# KiCad board PC110.kicad_pcb (continued)
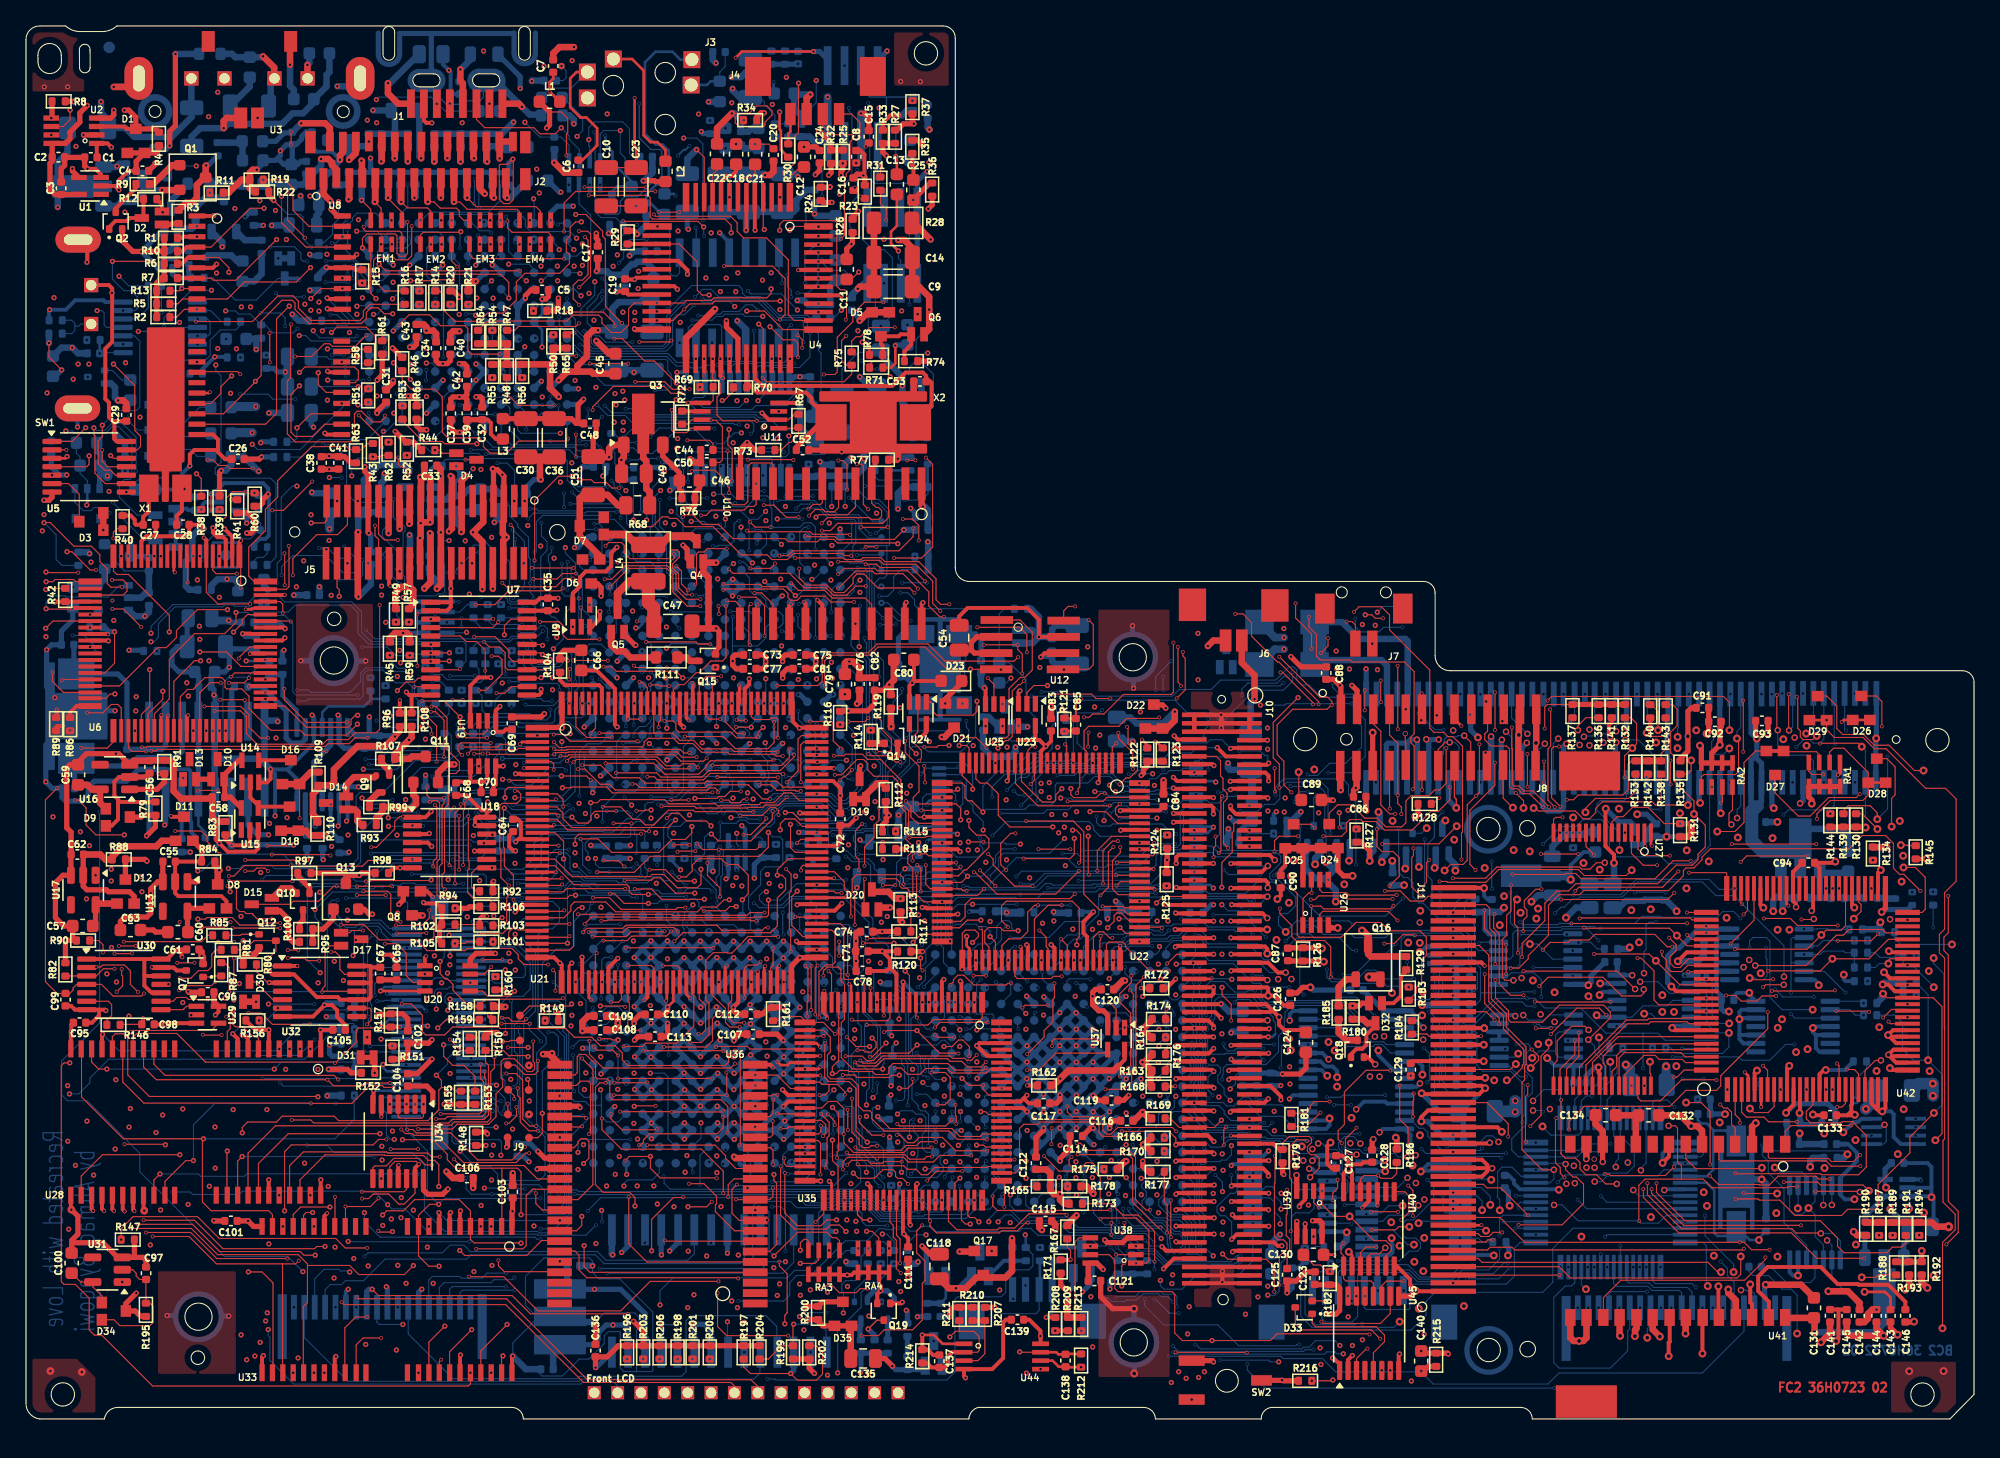
[diagram p0: board, top side]
## Routing (per net, layer and track width the routed paths; a pad name or vN(x,y) marks a point on that pad's centre or on a via; arc(x,y) is an arc through that point) (continued)
Bowman_ESS_DACK1#: length 105.1
  FC2 w0.08: v3(53.45,40.23) 53.45,40.93 52.49,41.89 v3(52.49,42.84) ; 52.36,55.15 52.36,54.19 52.62,53.93 v3(53.49,53.93)
  FC1 w0.08: v3(53.49,53.93) 53.69,53.73 53.69,51.7 52.55,50.56 52.55,47.03 52.34,46.82 52.34,44.61 52.49,44.46 v3(52.49,42.84) ; v1(53.53,16.36) 52.78,16.36 52.46,16.68 52.46,38.09 53.45,39.08 v3(53.45,40.23)
  IC3 w0.08: v4(107.71,16.91) 107.41,17.21 107.41,17.24 107.29,17.36 97.38,17.36 96.94,16.92 95.12,16.92 93.47,18.57 90.72,18.57 89.96,17.81 75.68,17.81 74.85,16.98 54.61,16.98 53.99,16.36 v1(53.53,16.36)
  BC1 w0.08: v4(107.71,16.91) 109.19,15.43 109.19,15.22 v7(110.47,13.94)
  BC2 w0.08: R372.2 112.16,13.63 111.86,13.94 v7(110.47,13.94)
CF_CD1_Pluto: length 73.2
  FC2 w0.08: v3(80.53,20.18) 80.35,20 80.35,19.63 80.63,19.35 81.26,19.35 81.66,19.75 82.13,19.75 82.38,19.5 82.38,19.04 82.39,19.03 82.39,18.99 82.74,18.64 82.74,16.59 ; v3(86.93,12.12) 86.93,14.45 85.67,15.71 84.47,15.71 83.59,16.59 R173.2 ; v3(74.02,21.55) 71.73,21.55 71.09,22.19 66.1,22.19 65.15,23.14 65.15,23.6 65,23.75 64.49,23.75 64.1,24.14 64.1,25.71 63.6,26.21 61.98,26.21 61.73,26.46 61.73,28.05 61.95,28.27 61.95,29.44 61.43,29.96 U35.27
  FC1 w0.08: v1(107.7,6.52) 107.7,7.33 109.93,9.56 v3(109.93,10.48) ; v3(86.93,12.12) 88.19,12.12 88.95,11.36 88.95,7.08 v1(89.48,6.55) ; v3(80.53,20.18) 80.02,20.69 78.41,20.69 78.26,20.84 74.73,20.84 v3(74.02,21.55)
  IC1 w0.08: v1(107.7,6.52) 89.51,6.52 v1(89.48,6.55)
CF_CD2_Pluto: length 68.1
  FC2 w0.08: v3(62.31,29.66) 62.31,29.67 61.42,30.56 U35.26 60,30.7 59.69,31.01 58.22,31.01 57.9,30.69 R161.1 ; v1(64.98,28.7) 63.94,28.7 v3(63.22,29.42) ; v3(104.68,40.69) 105.85,40.69 106.63,39.91 107.63,39.91 108,40.28 109.93,40.28
  FC1 w0.08: v2(100.33,29.05) 100.33,31.18 100.91,31.76 100.91,31.82 102.46,33.37 103.46,33.37 105.04,34.95 105.04,37.22 104.33,37.93 104.33,40.34 v3(104.68,40.69) ; v3(63.22,29.42) 62.55,29.42 v3(62.31,29.66)
  IC1 w0.08: v1(64.98,28.7) 65.41,28.7 65.7,28.99 65.7,29.38 66.41,30.09 66.93,30.09 67.69,29.33 89.26,29.33 91.34,31.41 92.24,31.41 94.84,28.81 96.04,28.81 97.02,29.79 98.05,29.79 98.79,29.05 v2(100.33,29.05)
Chipset_2XCPU_CLK: length 74.4
  IC1 w0.08: v1(62.02,65.9) 62.02,66 61.21,66.81 57.6,66.81 57.53,66.88 52,66.88 51.54,66.42 41.01,66.42 40.97,66.38 40.73,66.38 v1(40.68,66.33) ; v1(12.51,55.71) 12.67,55.71 13.37,55.01 30.13,55.01 33.26,58.14 33.26,58.68 34.47,59.89 38.2,59.89 39.02,60.71 40.07,60.71 40.55,60.23 v1(40.88,60.23)
  IC4 w0.08: v1(40.68,66.33) 40.29,65.94 40.29,60.82 v1(40.88,60.23) ; v1(12.66,43.68) 11.96,44.38 11.96,52.74 12.51,53.29 v1(12.51,55.71)
  BC2 w0.08: 61.44,66.72 61.44,66.5 62.02,65.91 v1(62.02,65.9)
  BC2 w0.4: R359.2 12.65,43.69 v1(12.66,43.68)
Chipset_32KHz: length 117.6
  FC2 w0.08: U21.51 48.36,34.74 48.15,34.95 v3(46.34,34.95)
  FC1 w0.08: v1(46.79,36.84) 46.79,36.15 46.34,35.7 v3(46.34,34.95) ; v1(35.98,86.37) 36.69,87.08 38.78,87.08 39.15,87.45 39.15,88.32 v1(39.67,88.84)
  IC1 w0.08: v1(47.96,57.12) 47.96,57.23 48.66,57.93 56.32,57.93 56.46,57.79 61.52,57.79 v1(62.04,58.31)
  IC3 w0.08: v1(37.68,37.35) 45.31,37.35 45.82,36.84 v1(46.79,36.84)
  IC4 w0.08: v1(37.68,37.35) 37.68,37.37 38.75,38.44 38.75,52 38.35,52.4 38.35,67.6 39.23,68.48 39.23,69.88 40.39,71.04 40.39,80.41 40.84,80.86 40.84,83.33 39.99,84.18 36.71,84.18 35.98,84.91 v1(35.98,86.37) ; v1(47.96,57.12) 47.31,56.47 47.31,42.56 46.75,42 46.75,37.09 46.79,37.05 v1(46.79,36.84)
  BC1 w0.08: v1(39.67,88.84) 38.68,88.84 38.39,89.13 38.39,90.93 38.09,91.23 37.17,91.23 v7(36.55,90.61) ; v1(62.04,58.31) 62.74,57.61 v7(62.74,56.66)
  BC2 w0.08: U51.J2 36.55,90.83 v7(36.55,90.61)
Chipset_BIOS_CE#: length 70.8
  BC1 w0.08: v7(90.13,49.65) 90.13,51.9 v7(90.72,52.49) ; v7(52.81,47.5) 52.79,47.52 52.79,49.79 v7(51.99,50.59) ; v7(91.06,53.94) 91.06,55.07 89.98,56.15 v7(87.6,56.15) ; v7(87.59,57.19) 87.59,59.67 85.69,61.57 74.5,61.57 74.03,61.1 74.03,56.73 74.24,56.52 74.24,56.17 74.03,55.96 74.03,54.85 72.53,53.35 62.61,53.35 61.92,54.04 60.46,54.04 59.96,54.54 v7(59.49,54.54) ; v7(58.53,49.51) 57.98,50.06 56.5,50.06 56.12,49.68 56.12,48.93 56.46,48.59 v7(56.46,47.23)
  BC2 w0.08: v7(87.59,57.19) 87.59,56.16 v7(87.6,56.15) ; 51.29,50.18 51.54,50.18 51.95,50.59 v7(51.99,50.59) ; v7(56.46,47.23) 55.88,47.23 55.61,47.5 v7(52.81,47.5) ; v7(58.53,49.51) 59.25,49.51 59.54,49.8 59.54,50.34 60.02,50.82 60.59,50.82 60.83,51.06 60.83,52.88 60.34,53.37 60.01,53.37 59.49,53.89 v7(59.49,54.54) ; v7(91.06,53.94) 91.06,53.41 90.72,53.07 v7(90.72,52.49)
Chipset_CLK: length 51.5
  IC1 w0.08: v1(63.35,44.25) 62.86,43.76 48.32,43.76 46.64,42.08 37.2,42.08 36.71,42.57 29.71,42.57 29.39,42.89 23.88,42.89 23.58,43.19 22.99,43.19 v1(22.9,43.1)
  IC4 w0.08: v1(63.2,50.76) 63.2,50.03 63.34,49.89 63.34,48.05 63.09,47.8 63.09,45.13 63.35,44.87 v1(63.35,44.25)
  BC2 w0.08: 61.45,50.18 62.03,50.76 v1(63.2,50.76)
  BC2 w0.4: R341.1 22.85,43.15 v1(22.9,43.1)
Chipset_CPU_CLK: length 36
  IC1 w0.08: v1(62.06,70.31) 62.06,70.43 61.09,71.4 55.6,71.4 55.09,70.89 55.09,68.74 v1(55.08,68.73) 55.02,68.79 53.1,68.79 50.93,70.96 48.65,70.96 47.81,70.12 v1(47.81,69.27)
  IC4 w0.08: v1(63.54,74.08) 63.54,72.72 63.11,72.29 62.43,72.29 62.06,71.92 v1(62.06,70.31) ; v1(49.18,73.01) 47.8,71.63 47.8,69.28 v1(47.81,69.27)
  BC2 w0.08: 55.09,67.99 55.09,68.73 v1(55.08,68.73) ; v1(62.06,70.31) 62.07,70.32 R257.2 ; R252.1 47.83,69.29 v1(47.81,69.27) ; R251.1 63.09,73.63
  BC2 w0.4: v1(49.18,73.01) 48.98,73.01 48.66,73.33 R255.1
  BC2 w0.5: 63.09,73.63 v1(63.54,74.08)
Chipset_CPU_CLK_Sense: length 16.2
  BC1 w0.08: v7(50.3,70.96) 50.33,70.93 v7(51.36,70.93) ; v7(52.46,70.97) 52.46,69.08 v7(53.65,67.89) ; v7(49.58,70.94) 49.03,70.39 48.49,70.39 48.28,70.6 47.09,70.6 46.86,70.83 46.86,74.08 46.59,74.35 v7(46.32,74.35)
  BC2 w0.08: v7(49.58,70.94) 50.28,70.94 v7(50.3,70.96) ; v7(46.32,74.35) 45.94,74.35 45.67,74.62 45.67,75.58 45.31,75.94 R253.2 ; 53.82,67.99 53.72,67.89 v7(53.65,67.89) ; v7(51.36,70.93) 51.4,70.97 v7(52.46,70.97)
Chipset_FDC_TC: length 39
  FC2 w0.08: v3(47.02,46.87) 47.65,46.87 47.71,46.93 v1(48.15,46.93) ; v3(46.7,48.94) 46.99,48.94 47.27,48.66 52.33,48.66 52.54,48.87 55.64,48.87 56.73,47.78 v3(57.31,47.78) ; U22.33 69.42,45.4 69.22,45.2 v3(68.36,45.2)
  FC1 w0.08: v3(47.02,46.87) 47.02,47.17 47.09,47.24 47.09,48.55 v3(46.7,48.94) ; v3(57.31,47.78) 57.31,47.46 57.09,47.24 57.09,46.66 57.73,46.02 58.04,46.02 59.3,44.76 62.77,44.76 63.18,45.17 64.53,45.17 64.95,44.75 67.47,44.75 67.92,45.2 v3(68.36,45.2)
  BC1 w0.08: v1(48.15,46.93) 48.15,47.92 v7(48.16,47.93)
  BC2 w0.08: 51.29,52.72 51.29,52.45 50.64,51.8 50.64,48.49 50.08,47.93 v7(48.16,47.93)
Chipset_SA16: length 62.8
  BC1 w0.08: v7(44.38,48.91) 44.38,47.21 v7(44.73,46.86) ; v7(66.87,40.58) 66.87,39.91 67,39.78 67,39.06 66.83,38.89 66.83,37.93 67.31,37.45 67.31,34.01 67.14,33.84 67.14,32.67 66.44,31.97 66.44,30.5 67.46,29.48 67.46,28.79 66.86,28.19 65.95,28.19 65.82,28.06 65.82,27.71 65.95,27.58 69.36,27.58 v7(69.96,26.98) ; v7(47.02,43.62) 48.01,43.62 48.23,43.4 49.43,43.4 49.91,43.88 52.22,43.88 52.86,43.24 53.56,43.24 53.98,43.66 53.98,44.35 54.33,44.7 55.45,44.7 56.4,43.75 56.96,43.75 57.08,43.87 57.08,44.35 56.2,45.23 56.2,46.38 56.58,46.76 v7(57.2,46.76) ; v7(63.16,43.33) 62.49,44 62.49,46.32 62.43,46.38 v7(62.43,46.84) ; v7(46.88,45.43) 46.64,45.67 v7(46.64,46.58)
  BC2 w0.08: v7(44.73,46.86) 46.36,46.86 v7(46.64,46.58) ; v7(44.38,48.91) 44.94,48.91 ; v7(47.02,43.62) 47.05,43.65 47.05,44.94 46.88,45.11 v7(46.88,45.43) ; 70.03,26.92 69.97,26.98 v7(69.96,26.98) 69.96,26.98 U74.J1 ; U59.1 66.94,40.65 v7(66.87,40.58) 66.85,40.56 65.64,40.56 65.06,41.14 65.06,42.62 64.73,42.95 63.62,42.95 63.24,43.33 v7(63.16,43.33) ; v7(57.2,46.76) 57.47,47.03 57.63,47.03 58.21,47.61 61.59,47.61 62.36,46.84 v7(62.43,46.84)
Chipset_Sound: length 42.8
  FC2 w0.08: v1(69.52,81.51) 69.51,81.52
  FC2 w0.4: 69.51,81.52 R74.2
  IC1 w0.08: v1(69.52,81.51) 68.11,80.1 68.11,73.8 65.52,71.21 v1(65.52,69.8)
  IC2 w0.08: v1(65.52,69.8) 65.52,67.81 65.21,67.5 65.21,51.7 v1(68.12,48.79)
  BC1 w0.08: v1(68.12,48.79) 67.51,49.4 64.19,49.4 64.08,49.29 v7(63.66,49.29)
  BC2 w0.08: 62.72,50.18 62.72,49.88 63.31,49.29 v7(63.66,49.29)
CMOS_BATT_Sense: length 139.1
  FC2 w0.08: v3(62.76,90.94) 63.04,91.22 63.04,95.6 63.18,95.74 63.18,95.96 63.48,96.26 63.48,98.43 63.69,98.64 64.02,98.64 64.23,98.85 64.23,99.92 63.59,100.56 J4.4 ; U6.6 13.89,63.7 14.78,62.81 v3(17.26,62.81) ; 16.25,70.86 R41.2 ; v3(51.94,62.64) 50.93,62.64 49.83,63.74 49.83,65.08 49.36,65.55 46.41,65.55 v3(44.97,64.11) ; v3(42.36,65.15) 41.33,65.15 40.91,64.73 v3(39.08,64.73) ; v3(58.04,66.53) 58.68,66.53 59.05,66.9 67.24,66.9 68.34,68 v3(68.34,68.64) ; v3(53.35,62.65) 53.37,62.63 v3(53.37,62.03)
  FC2 w0.3: v3(15.79,70.86) 16.25,70.86 ; v6(13.69,67.92) 13.89,67.72 U6.6
  FC1 w0.08: 68.34,68.65 69.45,69.77 69.45,72.64 69.45,72.64 69.45,72.97 69,73.42 69,77.17 66.94,79.23 64.39,79.23 63.63,79.99 63.63,85.49 64.52,86.38 64.52,88.69 63.03,90.17 63.03,90.66 62.76,90.93 ; v1(14.77,82.49) 15.29,81.97 15.29,80.24 16.27,79.26 16.27,77.17 15.79,76.69 v3(15.79,70.86) ; v3(51.94,62.64) 53.34,62.64 v3(53.35,62.65) ; v3(58.04,66.53) 58.04,65.78 57.33,65.07 57.33,62.41 57.02,62.1 54.38,62.1 54.31,62.03 v3(53.37,62.03) ; v3(39.08,64.73) 39.04,64.77 28.2,64.77 28.06,64.63 22.11,64.63 21.3,63.82 21.3,63.28 20.83,62.81 v3(17.26,62.81) ; v3(44.97,64.11) 43.4,64.11 v3(42.36,65.15)
  IC4 w0.08: v1(14.77,82.49) 14.35,82.49 14.04,82.18 14.04,77.16 15.17,76.04 15.17,74.06 15.82,73.41 15.82,68.54 15.2,67.92 v6(13.69,67.92)
CPU_A2: length 97.1
  FC2 w0.08: U21.10 37.15,48.67 36.9,48.42 v1(36.9,47.88)
  BC1 w0.08: v7(39.24,85.74) 47.38,85.74 47.71,85.41 47.71,73.2 48.77,72.14 50.15,72.14 50.96,71.33 51.43,71.33 51.69,71.07 51.69,68.33 51.66,68.3 51.66,63.46 v7(51.65,63.45) ; v7(52.28,63.44) 52.28,60.39 52.27,60.38 ; 52.27,60.38 52.02,60.38 51.26,59.62 51.26,55.09 50,53.83 50,53.25 49.56,52.81 49.1,52.81 48.96,52.95 46.68,52.95 46.52,52.79 46.52,51.32 46.38,51.18 46.38,49.88 46.52,49.74 46.52,48.81 45.66,47.95 45.66,45.74 45.45,45.53 45.45,42.19 45.26,42 v7(45.26,36.84) ; 52.27,60.38 52.65,60.38 52.84,60.19 56.83,60.19 57.25,60.61 57.89,60.61 57.98,60.7 v7(58.23,60.7) ; v7(42.65,35.06) 42.17,35.54 42.17,37.2 41.89,37.48 41.89,41.22 40.99,42.12 40.99,46.21 41.24,46.46 v7(41.24,46.96)
  BC2 w0.08: v7(58.23,60.7) 58.38,60.7 58.71,60.37 58.89,60.37 ; v1(36.9,47.88) 36.9,47.51 37.45,46.96 v7(41.24,46.96) ; U51.L6 39.2,85.74 v7(39.24,85.74) ; v7(45.26,36.84) 44.32,36.84 U76.A3 43.7,35.8 42.96,35.06 v7(42.65,35.06) ; v7(52.28,63.44) 52.27,63.45 v7(51.65,63.45)
CPU_A3: length 113.2
  FC2 w0.08: U21.11 40.93,48.17 41.38,47.72 v3(41.38,47.19)
  FC1 w0.08: v3(41.38,47.19) 41.38,45.82 42,45.2 43.17,45.2 43.97,44.4 43.97,43.29 v1(43.87,43.19)
  BC1 w0.08: v7(61.24,78.95) 60.68,78.39 60.68,75.57 60.96,75.29 64.14,75.29 65.06,74.37 65.06,71.49 64.81,71.24 64.81,69.42 65.28,68.95 65.76,68.95 66.15,68.56 66.15,64.96 66.59,64.52 66.59,62.04 66.5,61.95 66.5,60.83 65.86,60.19 v7(64.58,60.19) 64.57,60.2 v7(62.91,60.2) ; v7(50.88,85.84) 51.51,86.47 v7(51.53,86.47) ; v7(59.5,45.84) 58.86,45.2 58.86,44.07 58.32,43.53 56.15,43.53 55.2,44.48 54.48,44.48 54.16,44.16 54.16,43.51 53.66,43.01 52.66,43.01 51.96,43.71 50.05,43.71 49.56,43.22 48.24,43.22 47.51,42.49 v7(46.78,42.49) 46.78,40.49 46.73,40.44 46.73,38.24 v7(47.37,37.6) ; v7(64.29,47.99) 64.29,47.36 63.39,46.46 63.39,46.1 v7(63.67,45.82)
  BC2 w0.08: v7(46.78,42.49) 44.14,42.49 43.87,42.76 v1(43.87,43.19) ; v7(47.37,37.6) 47.4,37.6 U76.D2 ; v7(64.29,47.99) 64.97,48.67 64.97,48.83 65.81,49.67 65.81,50.52 64.96,51.37 64.96,58.56 64.75,58.77 64.75,59.81 64.58,59.98 v7(64.58,60.19) ; v7(51.53,86.47) 52.11,87.05 52.78,87.05 53.36,86.47 55.09,86.47 55.25,86.31 56.5,86.31 57.93,84.88 60.02,84.88 60.18,84.72 60.18,84.23 60.34,84.07 60.59,84.07 61.04,83.62 61.04,82.34 61.24,82.14 v7(61.24,78.95) ; v7(59.5,45.84) 59.55,45.89 63.6,45.89 v7(63.67,45.82) ; v7(50.88,85.84) 50.52,85.84 49.56,84.88 49.56,82.91 49.13,82.48 43.66,82.48 43.28,82.86 43.28,83.05 42.32,84.01 42.32,84.73 41.9,85.15 41.36,85.15 41.22,85.29 40.92,85.29 U51.M6
CPU_A4: length 106
  FC2 w0.08: v3(40.81,47.75) 40.73,47.67 U21.12
  FC1 w0.08: v3(40.81,47.75) 41.2,48.14 42.6,48.14 43.09,47.65 v1(43.09,46.66)
  IC2 w0.08: v1(59.49,56.98) 59.49,57.38 59.78,57.67 59.78,70.19 56.01,73.96 51.69,73.96 51.32,74.34 51,74.34 50.59,73.92 47.68,73.92 ; v1(43.09,46.66) 43.09,50.08 44.06,51.05 44.06,58.82 45.48,60.24 47.23,60.24 47.52,60.53 49.61,60.53 49.84,60.76 49.84,64.26 48.75,65.35 48.75,70.5 47.68,71.57 47.68,73.92 ; v1(43.75,84.67) 44.44,84.67 47.68,81.43 47.68,73.92
  BC1 w0.08: v7(61.97,60.34) 61.97,59.65 61.66,59.34 60.51,59.34 59.89,58.72 59.89,57.38 v1(59.49,56.98) ; v1(43.75,84.67) 43.16,84.67 42.89,84.4 37.5,84.4 v7(36.6,85.3) ; v7(42.21,40.84) 42.21,41.68 41.87,42.02 41.87,43.26 41.46,43.67 41.46,44.21 41.66,44.41 41.66,44.8 43.09,46.23 v1(43.09,46.66)
  BC2 w0.08: v7(36.6,85.3) U51.J6 ; v7(61.97,60.34) 61.45,60.34 ; v7(42.21,40.84) 43.02,40.84 43.32,40.54 47.28,40.54 47.51,40.31 U76.D1
CPU_A5: length 97.9
  FC2 w0.08: U21.13 40.89,47.17 41.36,46.7 41.36,46.26 42.04,45.58 49.45,45.58 v1(50.03,46.16)
  IC2 w0.08: v1(50.03,46.16) 50.09,46.22 50.09,51.55 52.26,53.72 52.26,64.3 53.05,65.09 56.78,65.09 56.78,65.08 57.05,65.08 58.63,66.66 58.63,67.9 58.15,68.38 57.1,68.38 56.56,68.92 56.56,69.42 56.97,69.83 v1(56.97,69.94)
  BC1 w0.08: v7(50.65,73.3) 50.65,73.51 50.52,73.64 50.52,73.8 48.73,75.59 48.73,82 50.8,84.07 50.8,84.76 50.63,84.93 49.46,84.93 48.45,85.94 42.07,85.94 v7(41.67,86.34) ; v7(55.7,66.93) 55.7,66.62 55.55,66.47 55.55,63.66 56.76,62.45 57.25,62.45 57.75,61.95 v7(59.46,61.95) ; v7(49.12,41.97) 49.12,39.84 48.77,39.49 v7(48.77,37.65)
  BC2 w0.08: 60.17,60.37 59.46,61.08 v7(59.46,61.95) ; v7(55.7,66.93) 55.7,69.32 55.71,69.33 ; v7(49.12,41.97) 49.12,45.64 49.64,46.16 v1(50.03,46.16) ; 55.71,69.33 56.36,69.33 v1(56.97,69.94) ; 55.71,69.33 55.06,69.98 51.52,69.98 50.82,70.68 50.82,71.49 50.65,71.66 v7(50.65,73.3) ; v7(41.67,86.34) 41.68,86.33 U51.N6 ; U76.E2 48.77,37.5 v7(48.77,37.65)
CPU_A6: length 93.7
  FC2 w0.08: v3(41.01,46.5) 40.84,46.67 U21.14
  FC1 w0.08: v1(42.3,42.66) 42.34,42.66 42.8,43.12 42.8,43.48 42.81,43.48 43.05,43.72 43.05,44.84 42.87,45.02 41.84,45.02 41.01,45.85 v3(41.01,46.5)
  BC1 w0.08: v7(60.81,63.37) 60.27,63.37 59.34,64.3 59.34,68.32 59.23,68.43 59.23,69.6 59.66,70.03 59.66,70.47 59.45,70.68 59.45,76.01 58.56,76.9 58.56,80.16 58.17,80.55 56.87,80.55 56.56,80.24 54.23,80.24 v7(53.25,81.22) ; 58.9,60.2 57.6,60.2 56.58,59.18 56.25,59.18 55.94,58.87 54.87,58.87 54.57,59.17 54.06,59.17 53.81,58.92 53.81,54.43 53.65,54.27 53.06,54.27 52.55,53.76 52.55,51.76 52.08,51.29 51.49,51.29 50.66,50.46 50.66,44.99 49.26,43.59 48.39,43.59 48.02,43.96 46.94,43.96 46.72,43.74 46.72,43.47 47.03,43.16 v7(47.03,42.8) ; 58.9,60.2 58.9,60.96 v7(58.89,60.97) ; 58.9,60.2 v7(60.81,60.2) ; v7(47.96,38.05) 47.36,38.65 v7(47.36,41.84)
  BC2 w0.08: U51.M7 41.08,83.86 41.08,83.09 41.55,82.62 41.97,82.62 42.09,82.74 42.27,82.74 43.13,81.88 49.34,81.88 50.08,81.14 51.09,81.14 51.23,81 51.93,81 52.14,81.21 53.24,81.21 v7(53.25,81.22) ; v1(42.3,42.66) 42.41,42.66 43.23,41.84 v7(47.36,41.84) 47.36,42.47 v7(47.03,42.8) ; v7(47.96,38.05) 49.17,38.05 49.73,37.49 U76.F2 ; v7(60.81,60.2) v7(60.81,63.37) ; 58.89,61.64 58.89,60.98 v7(58.89,60.97)
CPU_A7: length 113
  FC2 w0.08: U21.15 40.93,46.17 41.71,45.39 47.57,45.39 47.68,45.28 v3(48,45.28) ; v1(51.49,41.45) 50.13,41.45 49.25,42.33 v3(48.03,42.33)
  FC1 w0.08: v3(48,45.28) 48.03,45.25 v3(48.03,42.33)
  BC1 w0.08: v7(65.46,68.27) 65.44,68.25 v7(65.44,65.8) ; v7(67.13,52.12) 66.48,52.12 66.21,51.85 63.06,51.85 62.98,51.93 58.98,51.93 58.74,51.69 58.74,51.39 59.12,51.01 59.12,49.51 59.63,49 59.63,47.99 60.19,47.43 60.19,43.39 58.86,42.06 58.86,40.25 57.95,39.34 56.93,39.34 55.62,40.65 53.93,40.65 53.68,40.9 53.03,40.9 52.48,41.45 v1(51.49,41.45) 50.29,41.45 50.04,41.2 v7(50.04,38.91) ; v7(51.47,85.85) 52.09,86.47 v7(52.09,86.48) ; v7(62.74,60.96) 65.32,60.96 v7(65.39,60.89) ; v7(65.32,70.56) 65.32,70.99 65.53,71.2 65.53,76.67 64.77,77.43 64.77,78.45 60.25,82.97 v7(59.88,82.97)
  BC2 w0.08: v7(65.46,68.27) 65.52,68.27 65.83,68.58 65.87,68.58 65.88,68.59 66.08,68.59 66.33,68.84 66.33,69.89 65.66,70.56 v7(65.32,70.56) ; U51.N7 42.1,84.11 42.1,83.88 43.11,82.87 43.11,82.76 43.58,82.29 49.31,82.29 49.81,82.79 49.81,84.76 50.15,85.1 50.72,85.1 v7(51.47,85.85) ; v7(65.44,65.8) 65.16,65.52 65.16,61.55 65.39,61.32 v7(65.39,60.89) 65.39,59.06 66.06,58.39 66.06,53.19 v7(67.13,52.12) ; 62.72,61.61 62.72,60.98 v7(62.74,60.96) ; v7(52.09,86.48) 52.33,86.24 52.79,86.24 52.85,86.3 54.9,86.3 55.1,86.1 56.39,86.1 57.8,84.69 59.71,84.69 59.88,84.52 v7(59.88,82.97)
CPU_A8: length 109.3
  FC2 w0.08: v1(51.52,40.52) 50.04,40.52 48.86,41.7 48.36,41.7 48.18,41.52 46.13,41.52 v3(46.11,41.5) ; v3(46.09,42.57) 45.65,43.01 44.49,43.01 v3(44.46,43.04)
  FC2 w0.2: U21.16 40.56,45.67 v3(40.67,45.78)
  FC1 w0.08: v3(46.11,41.5) 46.11,42.55 v3(46.09,42.57) ; v3(40.67,45.78) 40.67,46.99 41.19,47.51 41.51,47.51 41.69,47.33 41.69,46.92 41.56,46.79 41.56,45.94 42.08,45.42 43.62,45.42 44.46,44.58 v3(44.46,43.04)
  IC2 w0.08: v1(60.74,65.8) 61.42,65.12 61.42,56.66 60.95,56.19 58.29,56.19 57.42,57.06 57.42,57.32 57.24,57.5 54.41,57.5 53.85,56.94 53.85,47.38 53.58,47.11 53.58,44.7 53.9,44.38 53.9,42.29 52.13,40.52 v1(51.52,40.52)
  IC3 w0.08: v1(45.97,79.2) 46.82,79.2 46.97,79.05 50.93,79.05 51.81,79.93 57.09,79.93 60.02,77 60.02,67.46 60.74,66.74 v1(60.74,65.8)
  BC1 w0.08: v1(60.74,65.8) 61.23,65.31 62.46,65.31 63.72,64.05 63.72,63.49 64.04,63.17 64.33,63.17 64.62,62.88 64.62,62.6 64.35,62.33 63.48,62.33 63.25,62.56 61.83,62.56 v7(61.45,62.18) ; v7(36.6,83.99) 36.6,82.36 37.16,81.8 40.45,81.8 40.58,81.67 42.53,81.67 44.19,80.01 45.16,80.01 v1(45.97,79.2) ; v7(50.88,38.17) 50.87,38.17 50.58,38.46 50.58,40.41 50.69,40.52 v1(51.52,40.52)
  BC2 w0.08: U76.G2 50.88,37.93 v7(50.88,38.17) ; v7(61.45,62.18) 61.44,62.17 61.44,61.64 ; v7(36.6,83.99) U51.J7
CPU_A9: length 95.6
  FC2 w0.08: U21.17 40.75,45.17 41.41,44.51 v1(41.41,43.16)
  BC1 w0.08: v7(44.39,86.45) 45.71,86.45 45.88,86.62 49.22,86.62 50.32,85.52 52.04,85.52 52.34,85.22 52.34,82.08 52.53,81.89 52.53,80.57 52.26,80.3 52.26,79.3 52.5,79.06 52.5,76.04 52.99,75.55 53.22,75.55 54.98,73.79 54.98,71.74 54.3,71.06 54.3,69.67 54.43,69.54 54.43,67.44 55.3,66.57 55.3,62.07 56.1,61.27 59.89,61.27 v7(60.17,61) ; v7(50.36,40.77) 50.36,38.11 50.61,37.86 51.03,37.86 v7(51.34,38.17) ; v7(41.07,84.9) 41.06,84.89 41.3,84.65 42.76,84.65 43,84.89 43.29,84.89 v7(43.55,85.15) ; 58.56,61.27 58.56,60.57 58.4,60.41 57.47,60.41 56.62,59.56 52.42,59.56 51.69,58.83 51.69,53.62 50.81,52.74 50.36,52.74 50.04,52.42 50.04,49.04 49.39,48.39 49.39,44.56 49.1,44.27 47.29,44.27 46.93,44.63 46.45,44.63 46.08,44.26 46.08,41.32 v7(46.07,41.31)
  BC2 w0.08: v7(51.34,38.17) 51.32,38.19 U76.G1 ; v7(44.39,86.45) 44.39,86.2 43.55,85.36 v7(43.55,85.15) ; v7(50.36,40.77) 49.65,41.48 49.16,41.48 48.86,41.78 48.31,41.78 47.84,41.31 v7(46.07,41.31) 45.65,41.31 45.5,41.46 42.99,41.46 42.52,41.93 41.76,41.93 41.49,42.2 41.49,43.08 v1(41.41,43.16) ; U51.N8 41.68,83.71 41.07,84.32 v7(41.07,84.9) ; v7(60.17,61) 60.17,61.64
CPU_A10: length 81.8
  FC2 w0.08: v1(51.29,45.66) 51.29,45.16 50.79,44.66 49.75,44.66 48.75,43.66 45.11,43.66 44.07,44.7 v3(42.71,44.7) ; v3(41.02,44.18) 40.99,44.21 39.39,44.21
  FC1 w0.08: v3(42.71,44.7) 41.54,44.7 v3(41.02,44.18)
  BC1 w0.08: v7(54.43,58.87) 54.18,58.87 54.05,58.74 54.05,54.35 53.74,54.04 53.2,54.04 52.77,53.61 52.77,51.62 52.25,51.1 51.62,51.1 50.86,50.34 50.86,47.65 51.55,46.96 51.55,45.92 v1(51.29,45.66) ; v7(48.44,79.28) 48.44,75.52 50.35,73.61 50.35,73.13 50.52,72.96 50.71,72.96 52.07,71.6 52.07,68.89 53.64,67.32 53.64,65.91 53.08,65.35 52.52,65.35 52.25,65.08 52.25,64.39 53.1,63.54 53.1,62.2 53.47,61.83 v7(54.45,61.83) ; v7(53.24,39.74) 53.24,38.28 v7(52.6,37.64) ; v7(41.22,82.38) v7(42.22,82.38)
  BC2 w0.08: 54.42,59.61 54.42,58.88 v7(54.43,58.87) ; 54.42,59.61 54.42,59.57 56.37,59.57 57,60.2 57,61.02 57.63,61.64 ; 54.42,59.61 54.42,61.8 v7(54.45,61.83) ; v7(53.24,39.74) 53.24,40.1 53.16,40.18 53.16,40.78 52.04,41.9 51.92,41.9 51.27,42.55 51.27,45.64 v1(51.29,45.66) ; U51.M8 41.22,82.45 v7(41.22,82.38) ; v7(48.44,79.28) 49.37,79.28 49.7,79.61 49.7,80.52 49.44,80.78 49.44,81.5 49.29,81.65 42.95,81.65 v7(42.22,82.38) ; U76.H2 52.6,37.5 v7(52.6,37.64)
CPU_A11: length 106.3
  FC2 w0.08: v3(42.13,58.45) 44.8,58.45 v3(44.81,58.44) ; v3(44.99,40.48) 45.33,40.48 46.08,39.73 v1(47.94,39.73) ; U21.20 41.09,43.65 v3(41.13,43.61)
  FC1 w0.08: 44.96,42.7 44.96,40.51 v3(44.99,40.48) ; 44.96,42.7 44.93,42.73 44.93,51.07 44.81,51.19 v3(44.81,58.44) ; 44.96,42.7 43.65,42.7 43.14,42.19 42.16,42.19 41.91,42.44 41.91,43.42 41.72,43.61 v3(41.13,43.61) ; v1(38.65,68.85) 38.65,67.35 39.79,66.21 39.79,65.04 41.76,63.07 41.76,59.16 42.13,58.79 v3(42.13,58.45)
  IC1 w0.08: v1(62.08,67.32) 62.8,66.6 62.8,65.76 62.35,65.31 61.06,65.31 60.9,65.47 39.54,65.47 38.65,66.36 v1(38.65,68.85)
  BC1 w0.08: v7(38.5,73.01) 38.5,71.04 39.22,70.32 39.22,69.11 38.96,68.85 v1(38.65,68.85) ; v7(39.51,73.01) 39.51,73.91 38.89,74.53 37.83,74.53 37.13,75.23 37.13,79.28 37.27,79.42 v7(37.27,79.84) ; v7(62.71,62.23) 63.12,62.23 63.28,62.07 64.43,62.07 64.88,62.52 64.88,67.04 64.6,67.32 v1(62.08,67.32)
  BC2 w0.08: v7(38.5,73.01) v7(39.51,73.01) ; U51.J8 37.01,83.26 37.27,83 v7(37.27,79.84) ; U76.H1 51.83,39.52 51.83,39.82 51.55,40.1 51.2,40.1 51.02,39.92 48.82,39.92 48.63,39.73 v1(47.94,39.73) ; v7(62.71,62.23) 62.7,62.24 62.7,62.91
CPU_A12: length 107.2
  FC2 w0.08: U21.21 40.73,43.14 42.08,41.79 48.07,41.79 48.24,41.96 49.13,41.96 50.15,40.94 51.71,40.94 51.99,41.22 v1(51.99,42.36)
  IC2 w0.08: v1(64.24,64.64) 64.24,65.5 63.46,66.28 60.16,66.28 ; v1(46.89,84.65) 47.51,84.65 48.38,83.78 48.38,75.41 49.61,74.18 50.33,74.18 50.33,74.19 50.7,74.56 51.45,74.56 51.7,74.31 56.05,74.31 60.16,70.2 60.16,66.28 ; v1(51.99,42.36) 51.99,51.23 52.63,51.87 52.63,56.87 53.45,57.69 58.24,57.69 58.77,57.16 58.77,56.85 59.24,56.38 59.62,56.38 60.16,56.92 60.16,66.28
  BC1 w0.08: v7(39.24,83.31) 39.43,83.5 42.45,83.5 43.32,82.63 44.35,82.63 46.37,84.65 v1(46.89,84.65) ; v7(49.34,39.56) 49.34,40.03 49.42,40.11 49.42,41.59 49.65,41.82 50.55,41.82 50.84,42.11 51.06,42.11 51.31,42.36 v1(51.99,42.36) ; v7(61.46,63.44) v7(62.33,63.44) ; v7(52.89,39.44) 52.89,38.44 52.09,37.64 50.49,37.64 v7(50.03,38.1)
  BC2 w0.08: 39.1,83.2 39.14,83.24 U51.L8 39.19,83.31 v7(39.24,83.31) ; v7(61.46,63.44) 61.45,63.44 U61.R5 ; v7(52.89,39.44) 53.18,39.44 U76.J1 ; v7(62.33,63.44) 63.43,63.44 63.78,63.79 63.78,64.18 v1(64.24,64.64) ; v7(49.34,39.56) 49.34,38.45 49.39,38.4 49.39,38.39 49.68,38.1 v7(50.03,38.1)
CPU_A13: length 87
  FC2 w0.08: v1(47.94,40.42) 46.7,40.42 46.47,40.65 46.47,40.99 46.29,41.17 42.21,41.17 40.75,42.63 U21.22
  IC2 w0.08: v1(56.83,66.05) 56.1,65.32 52.91,65.32 52.09,64.5 52.09,54.94 51.27,54.12 49.3,54.12 48.73,53.55 48.73,51.72 47.78,50.77 47.78,42.48 47.94,42.32 v1(47.94,40.42)
  BC1 w0.08: v7(47.04,76.9) 47.04,79.41 46.07,80.38 44.56,80.38 v7(44.08,80.86) ; v7(50.86,40.24) 50.86,39.22 51.51,38.57 v7(51.94,38.57) ; v7(55.83,75.93) 56.32,75.44 56.32,68.62 56.83,68.11 v1(56.83,66.05) 56.83,65.15 56.47,64.79 56.47,63.71 57.32,62.86 59.03,62.86 59.1,62.79 v7(59.51,62.79)
  BC2 w0.08: v7(50.86,40.24) 50.83,40.27 48.73,40.27 48.57,40.43 47.95,40.43 v1(47.94,40.42) ; U51.N9 42.42,81.25 43.69,81.25 v7(44.08,80.86) ; 60.18,62.88 59.6,62.88 v7(59.51,62.79) ; U76.K2 54.54,38.08 52.43,38.08 v7(51.94,38.57) ; v7(55.83,75.93) 55.85,75.93 56.06,76.14 56.06,76.66 55.74,76.98 47.12,76.98 v7(47.04,76.9)
CPU_A14: length 121.7
  FC2 w0.08: v3(50.2,37.57) 49.89,37.88 46.36,37.88 46,37.52 v3(43.35,37.52) ; v3(57.7,65.92) 57.33,65.55 v3(55.79,65.55) ; v3(50.31,41.77) 50.86,41.77 51.32,42.23 51.32,42.68 51.81,43.17 53.54,43.17 53.95,42.76 v3(53.95,42.73) 54.82,42.73 55.63,41.92 55.63,40.46 v1(55.18,40.01) ; v3(55.78,59.63) 55.68,59.73 55.68,62.64 v3(55.84,62.8)
  FC2 w0.2: U21.23 39.37,42.14 v3(40.82,42.14)
  FC1 w0.08: v3(57.7,65.92) 57.7,68.89 57.41,69.18 57.41,70.5 57.03,70.88 56.88,70.88 55.89,71.87 55.89,73.06 56.02,73.19 56.02,74.04 55.85,74.21 54,74.21 53.69,74.52 53.69,76.61 54.9,77.82 55.37,77.82 55.49,77.94 v1(55.49,78.49) ; v3(55.79,65.55) 55.8,65.54 55.8,63.1 55.84,63.06 v3(55.84,62.8) ; v3(43.35,37.52) 43.32,37.55 43.32,39.97 42.57,40.72 41.12,40.72 40.82,41.02 v3(40.82,42.14) ; v3(53.95,42.73) 53.95,43.85 53.52,44.28 53.52,46.65 53.86,46.99 53.86,48.4 54.06,48.6 54.06,57.44 55.78,59.16 v3(55.78,59.63) ; v3(50.31,41.77) 50.31,39.95 50.18,39.82 50.18,37.59 v3(50.2,37.57)
  BC1 w0.08: v7(51.62,78.34) 51.62,78.69 51.31,79 51.31,80.67 51.6,80.96 v7(51.6,81.33) ; v7(65.05,68.18) 65.09,68.14 65.09,62.47 64.5,61.88 62.32,61.88 v7(62.03,62.17) ; v7(40.39,82.56) 40.62,82.79 v7(42.68,82.79) ; v1(55.49,78.49) 56.04,77.94 57.25,77.94 59.24,75.95 59.24,71.67 v7(58.96,71.39)